# Altium PCB SysUprTestUUUp.PcbDoc (part 3 of 4)
Units mm, origin at the board's own origin, x right, y up, seen from the top; angles counter-clockwise.
Board outline 140.1 x 94.7 mm, 4 copper layers (Top Layer, Mid-Layer 1, Mid-Layer 2, Bottom Layer), stack 1.572 mm thick; 296 components, 295 nets, 1339 pads, 437 vias.
Unrouted connection lines stored in the file: 160.
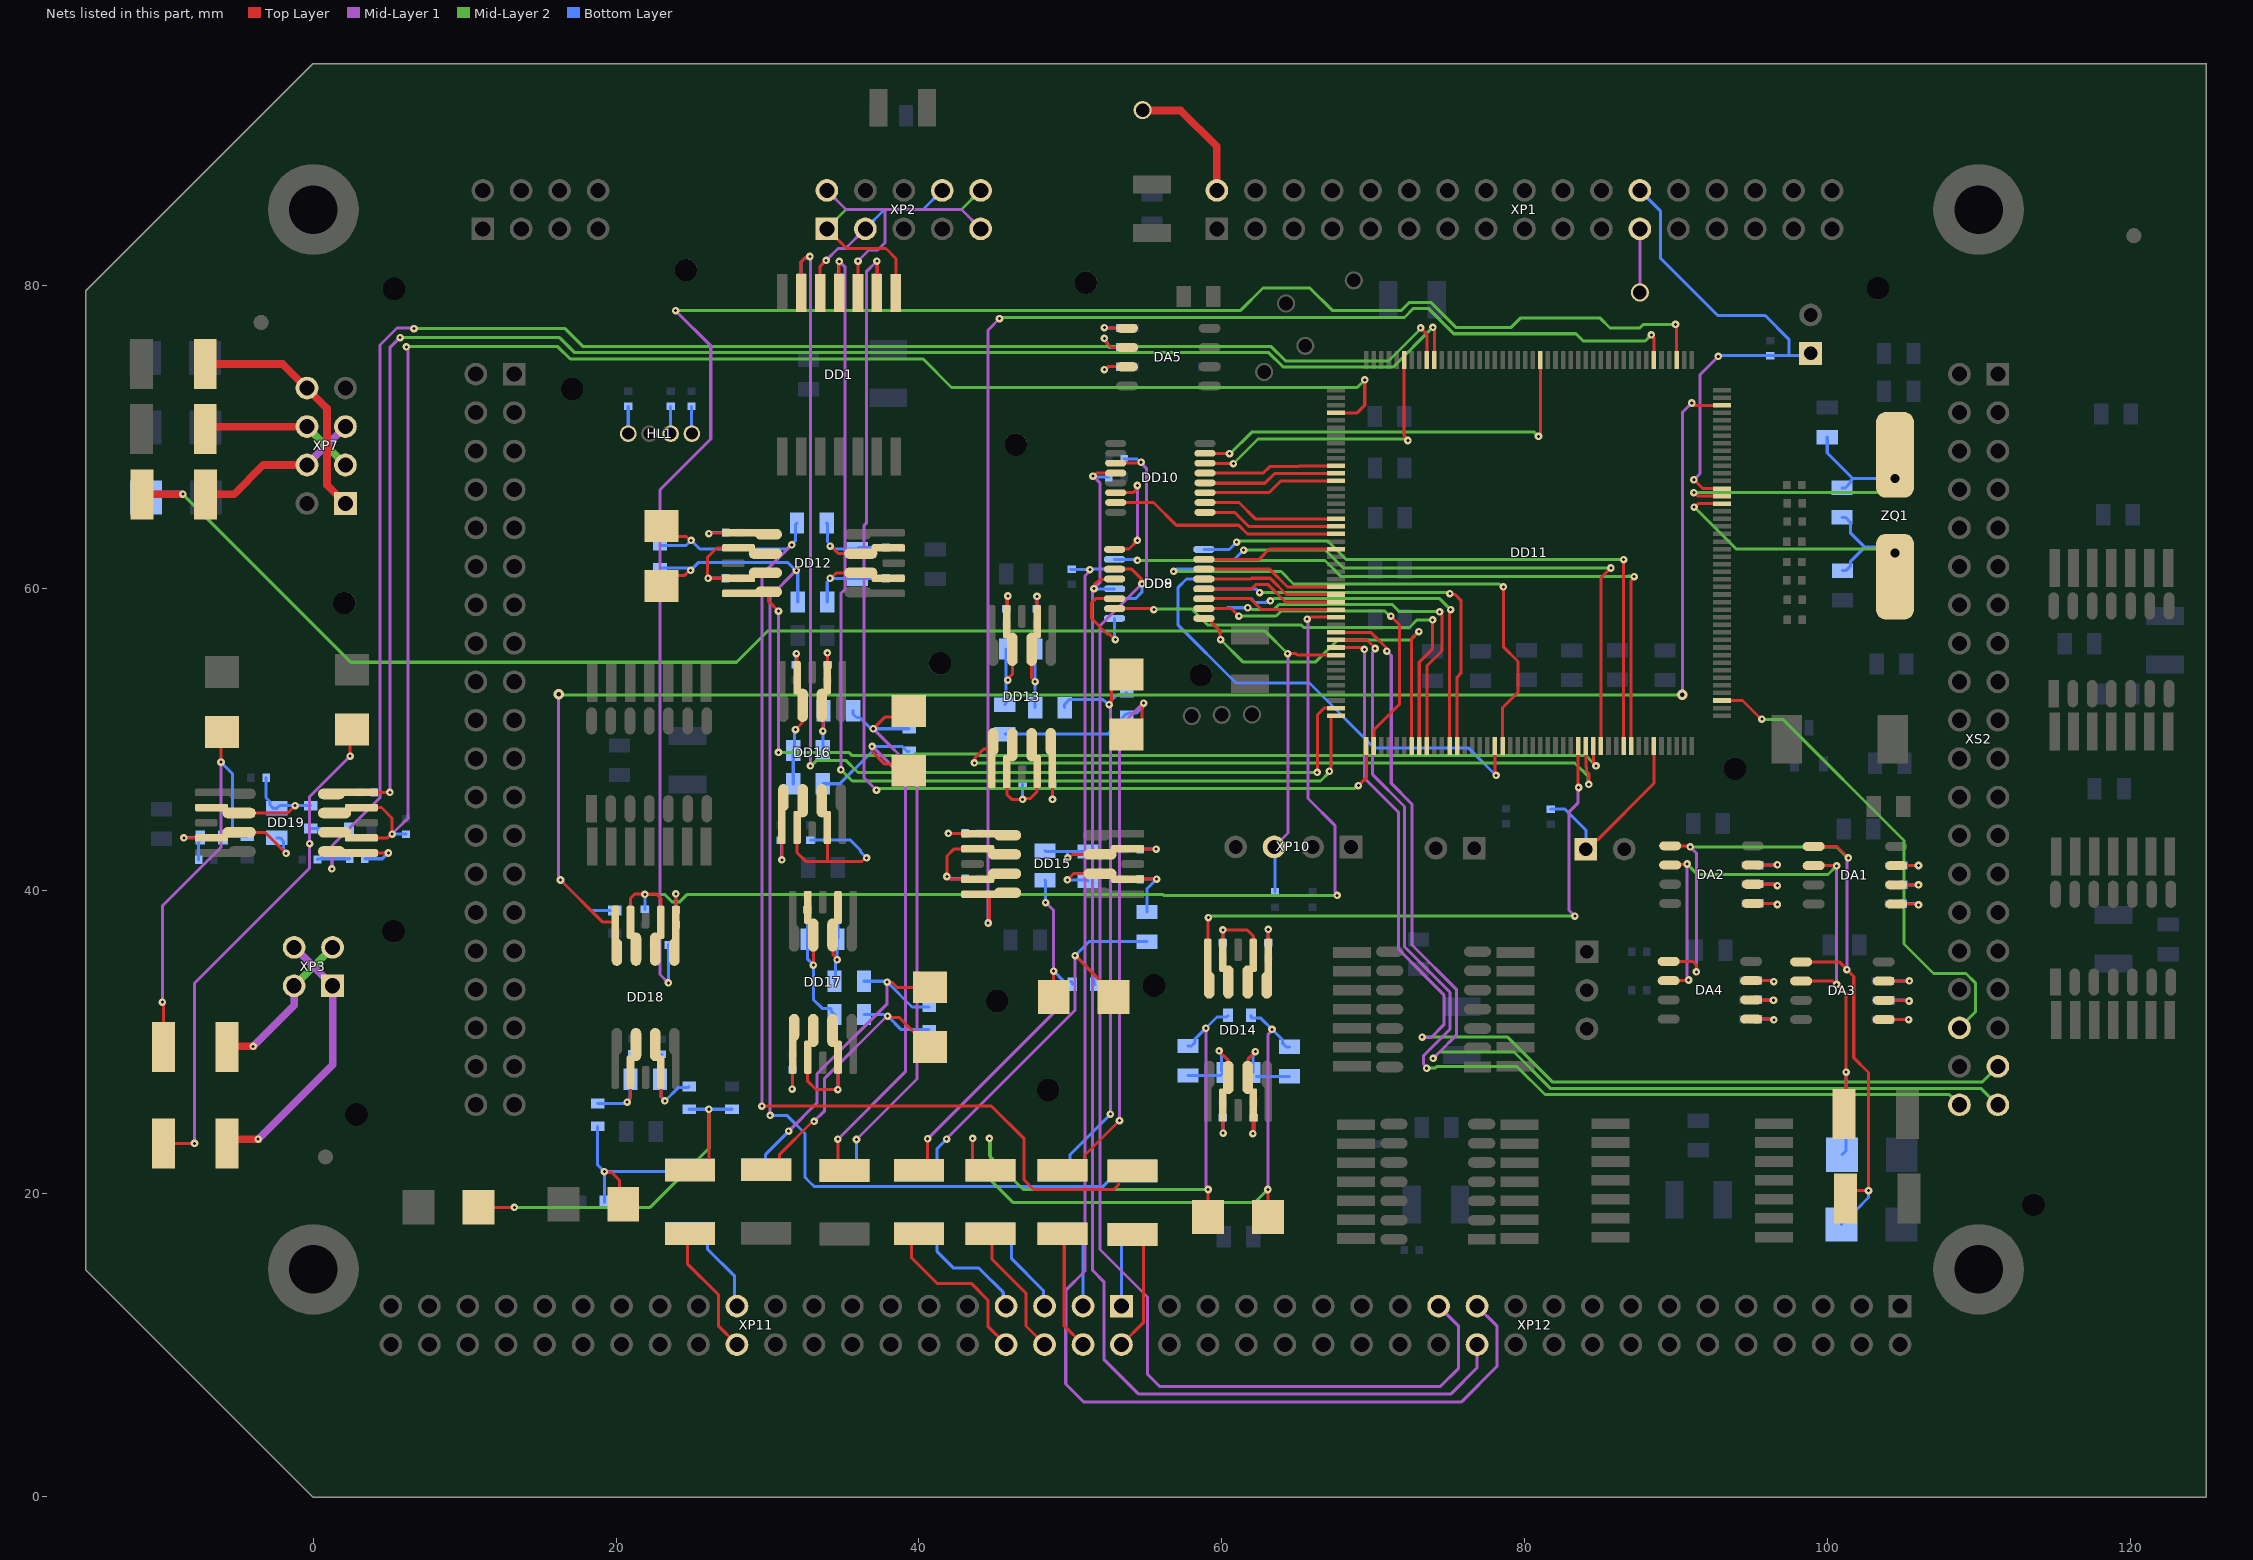
[diagram p5: the nets of this part, all layers, seen from the top]

## Via types
v1: diameter 0.5, hole 0.2, Top Layer to Bottom Layer, tented both sides, 406 vias
v2: diameter 0.7, hole 0.3, Top Layer to Bottom Layer, tented both sides, 27 vias
v3: diameter 1.1, hole 0.5, Top Layer to Bottom Layer, tented both sides, 4 vias

## Nets (pads, with @x,y where several pads share a name; then routed paths per layer and width w, separated by ;. In a path a pad name is that pad's centre, name@x,y a point inside that pad or via, vN(x,y) a via of type N, cw(c..) or ccw(c..) an arc to the next point about the centre after c; other vN are vias at no path point) (continued)
LED_DS_CP: DD1.13 DD11.131 R11.1 | length 77.4
  Top Layer w0.2: DD1.13@32.225,79.5 32.225,81.559 32.478,81.812 32.57,81.812 32.62,81.862 32.762,81.862 v1(32.8,81.9) ; v1(66.3,47.825) 66.325,47.85 66.325,51.625 66.775,52.075 DD11.131@67.55,52.075
  Mid-Layer 1 w0.2: v1(32.8,81.9) 32.825,81.875 v1(32.825,48.25)
  Mid-Layer 2 w0.2: v1(32.825,48.25) 32.879,48.25 33.254,48.625 35.175,48.625 35.975,47.825 v1(66.3,47.825)
  Bottom Layer w0.2: R11.1@32.225,80.525 32.225,81.559 32.478,81.812 32.57,81.812 32.62,81.862 32.762,81.862 v1(32.8,81.9)
LED_DS_O: DD1.12 XP2.3 XP2.8 | length 11.9
  Top Layer w0.2: DD1.12@33.475,79.5 33.475,81.25 v1(33.875,81.65)
  Mid-Layer 1 w0.2: v1(33.875,81.65) 34.65,82.425 35.155,82.425 XP2.3@36.46,83.73
  Bottom Layer w0.2: XP2.3@36.46,83.73 37.73,85 40.27,85 XP2.8@41.54,86.27
LED_SHCP_CP: DD1.11 DD11.132 R10.1 | length 73.9
  Top Layer w0.2: DD1.11@34.725,79.5 34.725,81.575 v1(34.738,81.588) ; v1(67.109,47.9) 67.109,47.981 67.225,48.097 67.225,51.525 67.275,51.575 DD11.132@67.55,51.575
  Mid-Layer 1 w0.2: v1(34.738,81.588) 34.738,81.585 35.125,81.197 35.125,59.942 34.85,59.667 v1(34.85,48)
  Mid-Layer 2 w0.2: v1(34.85,48) 35.6,47.25 66.525,47.25 67.109,47.834 v1(67.109,47.9)
  Bottom Layer w0.2: R10.1@34.7,80.525 34.7,81.55 v1(34.738,81.588)
LED_SHCP_O: DD1.10 XP2.2 XP2.9 | length 17.8
  Top Layer w0.2: DD1.10@35.975,79.5 v1(35.975,81.6)
  Mid-Layer 1 w0.2: XP2.2@33.92,86.27 35.19,85 37.75,85 ; v1(35.975,81.6) 36.7,82.325 37.275,82.325 37.75,82.8 37.75,85 ; XP2.9@44.08,83.73 42.81,85 37.75,85
LED_STCP_CP: DD1.9 DD11.133 R9.1 | length 73.6
  Top Layer w0.2: DD1.9@37.225,79.5 37.25,79.525 v1@37.25,81.575 ; v1(69.025,46.95) 69.55,47.475 DD11.133@69.55,49.575
  Mid-Layer 1 w0.2: v1(37.2,46.65) 36.359,47.491 36.359,64.113 36.525,64.279 36.525,80.9 v1(37.225,81.6)
  Mid-Layer 2 w0.2: v1(37.2,46.65) 37.3,46.75 66.876,46.75 68.758,46.75 68.958,46.95 v1(69.025,46.95)
  Bottom Layer w0.2: R9.1@37.225,80.525 v1(37.225,81.6)
LED_STCP_O: DD1.8 XP2.1 XP2.10 | length 18.9
  Top Layer w0.2: XP2.1@33.92,83.73 35.225,82.425 37.825,82.425 38.475,81.775 DD1.8@38.475,79.5
  Mid-Layer 2 w0.2: XP2.1@33.92,83.73 35.19,85 42.81,85 XP2.10@44.08,86.27
NetC44_2: C44.2 FU6.1 R127.1 VD13.KA2 | length 13.8
  Top Layer w0.2: v1(19.225,21.45) 19.263,21.412 19.688,21.412 20.218,20.882 20.218,19.557 VD13.KA2@20.475,19.3
  Bottom Layer w0.2: R127.1@18.775,24.45 18.775,21.9 v1(19.225,21.45) ; C44.2@19.225,19.425 v1(19.225,21.45) ; FU6.1@24.875,21.579 24.746,21.45 v1(19.225,21.45)
NetC45_2: C45.2 FU7.1 R128.1 VD14.KA2 | length 37.3
  Top Layer w0.2: FU7.1@-9.9,23.323 -7.852,23.323 v1(-7.85,23.325) ; v1(2.425,48.9) 2.425,50.525 VD14.KA2@2.55,50.65
  Mid-Layer 1 w0.2: v1(-7.85,23.325) -7.85,33.9 -0.25,41.5 v1(-0.25,43.125) -0.25,46.225 v1(2.425,48.9)
  Bottom Layer w0.2: v1(-0.25,43.125) -0.25,44.05 R128.1@-0.175,44.125 2.3,44.125 C45.2@2.35,44.075
NetC46_2: C46.2 FU20.1 R124.1 VD15.KA2 | length 27.5
  Top Layer w0.2: VD15.KA2@10.9,19.1 v1(13.275,19.1) ; FU20.1@24.875,21.554 25.737,21.554 26.237,22.054 26.125,22.054 v1(26.125,25.575)
  Mid-Layer 2 w0.2: v1(13.275,19.1) 22.25,19.1 26.125,22.975 v1(26.125,25.575)
  Bottom Layer w0.2: R124.1@24.825,25.575 26.237,25.575 C46.2@27.65,25.575
NetC47_2: C47.2 FU21.1 R126.1 VD16.KA2 | length 29.3
  Top Layer w0.2: v1(-9.975,32.65) -9.975,32.596 -9.9,32.521 FU21.1@-9.9,29.675 ; v1(-6.1,48.5) -6.1,50.425 VD16.KA2@-6.025,50.5
  Mid-Layer 1 w0.2: v1(-9.975,32.65) -9.975,39 -6.1,42.875 v1(-6.1,48.5)
  Bottom Layer w0.2: v1(-6.1,48.5) -5.35,47.75 -5.35,43.625 ; R126.1@-5.975,43.525 -5.975,43.55 -5.9,43.625 -5.35,43.625 ; C47.2@-4.371,43.625 -5.35,43.625
NetC49_1: C49.1 FU9.1 R130.2 VD7.KA1 | length 80
  Top Layer w0.2: VD7.KA1@23,64.091 23.679,63.413 24.633,63.413 24.896,63.15 v1(24.95,63.15) ; v1(29.626,25.777) 29.628,25.775 44.8,25.775 46.95,23.625 46.95,20.9 47.575,20.275 52.875,20.275 53.171,20.571 53.171,20.854 53.821,21.504 FU9.1@54.104,21.504
  Mid-Layer 1 w0.2: v1(29.626,25.777) 29.626,60.876 v1(31.6,62.85)
  Bottom Layer w0.2: C49.1@22.9,62.816 24.616,62.816 v1(24.95,63.15) 25.525,62.575 31.275,62.575 31.857,63.157 31.857,64.207 R130.2@31.95,64.3
NetC49_2: C49.2 FU8.1 R129.2 VD7.KA2 | length 78.5
  Top Layer w0.2: VD7.KA2@23,60.141 23.704,60.845 24.541,60.845 24.871,61.175 v1(24.925,61.175)
  Mid-Layer 1 w0.2: v1(30.176,25.174) 30.176,59.451 v1(31.9,61.175)
  Bottom Layer w0.2: C49.2@22.9,61.316 24.784,61.316 v1(24.925,61.175) 25.45,61.7 31.325,61.7 v1@31.875,61.15 ; v1(30.176,25.174) 31.276,25.174 32.475,23.975 32.475,21.075 32.775,20.775 33.071,20.479 52.184,20.479 53.204,21.5 FU8.1@54.104,21.5 ; R129.2@31.996,59.075 v1@31.996,61.029
NetC50_1: C50.1 FU11.1 R132.2 VD8.KA1 | length 46.4
  Top Layer w0.2: FU11.1@49.475,21.55 50.343,21.55 50.943,22.15 50.943,22.518 v1(53.25,24.825) ; VD8.KA1@53.7,50.333 53.775,50.333 54.725,51.283 54.725,52.194 54.85,52.319 v1(54.85,52.4)
  Mid-Layer 1 w0.2: v1(53.25,24.825) 53.25,50.825 54.825,52.4 v1(54.85,52.4)
  Bottom Layer w0.2: R132.2@45.675,50.35 52.475,50.35 53.375,51.25 53.375,51.375 53.672,51.672 53.797,51.672 53.868,51.743 54.393,51.743 54.812,52.162 54.812,52.362 v1(54.85,52.4)
NetC50_2: C50.2 FU10.1 R131.2 VD8.KA2 | length 39.6
  Top Layer w0.2: v1(52.565,52.297) 52.565,52.351 52.725,52.511 52.725,53.383 53.625,54.283 VD8.KA2@53.7,54.283
  Mid-Layer 1 w0.2: v1(52.565,52.297) 52.565,52.243 52.65,52.158 v1(52.65,25.25)
  Bottom Layer w0.2: FU10.1@49.475,21.55 49.974,22.049 49.974,22.574 v1(52.65,25.25) ; R131.2@49.625,52.1 49.625,52.325 49.95,52.65 52.125,52.65 52.239,52.536 52.272,52.536 52.511,52.297 v1(52.565,52.297) ; v1@52.45,52.325 53.069,52.944 53.569,52.944 C50.2@53.725,53.1
NetC51_1: C51.1 FU13.1 R134.2 VD9.KA1 | length 41.6
  Top Layer w0.2: v1(43.55,23.65) 43.55,22.05 44.05,21.55 FU13.1@44.725,21.55 ; v1(63.05,20.275) 63.054,20.271 VD9.KA1@63.054,18.446
  Mid-Layer 1 w0.2: v1(63.05,20.275) 63.05,30.494 63.325,30.769 v1(63.325,30.85)
  Mid-Layer 2 w0.2: v1(43.55,23.65) 43.55,22.075 46.2,19.425 62.2,19.425 v1(63.05,20.275)
  Bottom Layer w0.2: C51.1@61.925,31.775 61.925,31.67 62,31.595 62.58,31.595 v1(63.325,30.85) 64.025,30.15 64.025,29.925 64.25,29.7 R134.2@64.475,29.7
NetC51_2: C51.2 FU12.1 R133.2 VD9.KA2 | length 34.8
  Top Layer w0.2: v1(59.1,20.275) 59.104,20.271 VD9.KA2@59.104,18.446
  Mid-Layer 1 w0.2: v1(58.95,30.925) 58.95,20.479 59.1,20.329 v1(59.1,20.275)
  Mid-Layer 2 w0.2: v1(44.65,23.65) 44.65,22.525 46.9,20.275 v1(59.1,20.275)
  Bottom Layer w0.2: v1(44.65,23.65) 44.65,23.596 44.725,23.521 FU12.1@44.725,21.55 ; R133.2@57.775,29.75 58,29.75 58.225,29.975 58.225,30.2 59.695,31.67 60.35,31.67 60.425,31.745 C51.2@60.425,31.775
NetC52_1: C52.1 FU15.1 R136.2 VD10.KA1 | length 26.5
  Top Layer w0.2: FU15.1@40,21.55 40.075,21.55 40.575,22.05 v1(40.575,23.625) ; VD10.KA1@48.9,32.975 v1(48.9,34.7)
  Mid-Layer 1 w0.2: v1(40.575,23.625) 48.9,31.95 48.9,38.7 v1(48.375,39.225)
  Bottom Layer w0.2: R136.2@48.325,40.7 48.375,40.65 v1(48.375,39.225) ; v1(48.9,34.7) 49.575,34.025 50.058,34.025 50.133,33.95 C52.1@50.133,33.825
NetC52_2: C52.2 FU14.1 R135.2 VD10.KA2 | length 30.2
  Top Layer w0.2: v1(50.325,35.725) 52.05,34 52.05,33.775 VD10.KA2@52.85,32.975
  Mid-Layer 1 w0.2: v1(41.825,23.6) 41.825,23.625 50.325,32.125 v1(50.325,35.725)
  Bottom Layer w0.2: FU14.1@40,21.55 40.707,21.55 41.207,22.05 41.207,22.982 v1(41.825,23.6) ; C52.2@51.633,33.825 51.558,33.9 51.558,34.492 v1(50.325,35.725) 51.25,36.65 R135.2@55.075,36.65
NetC53_1: C53.1 FU17.1 R138.2 VD11.KA1 | length 41.3
  Top Layer w0.2: v1(34.65,23.6) 34.65,21.954 FU17.1@35.075,21.529 ; v1(36.909,49.55) 36.933,49.526 36.933,49.184 37.747,48.37 38.893,48.37 VD11.KA1@39.329,47.934
  Mid-Layer 1 w0.2: v1(34.65,23.6) 39.125,28.075 39.125,47.334 v1(36.909,49.55)
  Bottom Layer w0.2: R138.2@33.65,47.075 34.775,47.075 36.909,49.209 v1(36.909,49.55) 38.884,49.55 39.225,49.209 C53.1@39.35,49.209
NetC53_2: C53.2 FU16.1 R137.2 VD11.KA2 | length 39.7
  Top Layer w0.2: v1(36.983,50.709) 37.747,51.472 38.918,51.472 VD11.KA2@39.329,51.884
  Mid-Layer 1 w0.2: v1(35.875,23.575) 39.875,27.575 39.875,47.817 v1(36.983,50.709)
  Bottom Layer w0.2: FU16.1@35.075,21.529 35.375,21.529 35.875,22.029 v1(35.875,23.575) ; R137.2@35.65,51.9 35.65,51.675 35.875,51.45 36.1,51.45 36.803,50.747 36.945,50.747 v1(36.983,50.709) C53.2@39.35,50.709
NetC54_1: C54.1 FU19.1 R140.2 VD12.KA1 | length 21.9
  Top Layer w0.2: FU19.1@29.9,21.575 30.199,21.575 30.799,22.175 30.799,22.599 32.937,24.737 33.037,24.737 v1(33.075,24.775) ; v1(37.94,31.731) 37.978,31.693 38.107,31.693 38.153,31.647 38.687,31.647 40.654,29.679 VD12.KA1@40.729,29.679
  Mid-Layer 1 w0.2: v1(33.075,24.775) 33.775,25.475 33.775,27.621 37.886,31.731 v1(37.94,31.731)
  Bottom Layer w0.2: R140.2@36.375,31.825 37.675,31.825 v1@37.733,31.767 ; v1(37.94,31.731) 38.842,30.829 C54.1@40.679,30.829
NetC54_2: C54.2 FU18.1 R139.2 VD12.KA2 | length 23.7
  Top Layer w0.2: v1(37.9,33.973) 37.938,33.935 38.249,33.935 38.554,33.629 VD12.KA2@40.729,33.629
  Mid-Layer 1 w0.2: v1(31.4,24.125) 33.275,26 33.275,27.915 37.9,32.54 v1(37.9,33.973)
  Bottom Layer w0.2: FU18.1@29.925,21.575 29.874,21.626 29.874,22.599 v1(31.4,24.125) ; R139.2@36.375,34.029 37.79,34.029 37.846,33.973 v1(37.9,33.973) 39.544,32.329 C54.2@40.679,32.329
NetDA1_1: DA1.1 DA2.1 DA3.1 DA4.1 FU1.1 VD1.KA2 | length 56.4
  Top Layer w0.2: DA4.1@89.521,35.339 89.531,35.329 91.146,35.329 91.35,35.125 v1(91.35,34.65) ; DA2.1@89.625,42.977 90.819,42.977 90.896,42.9 v1(90.95,42.9) ; DA3.1@98.275,35.309 100.791,35.309 101.75,34.35 101.75,28.975 102.725,28 v1(102.725,20.2) 101.274,20.2 101.2,20.126 FU1.1@101.2,19.675 ; DA1.1@99.1,42.937 100.638,42.937 v1(101.4,42.175)
  Mid-Layer 1 w0.2: v1(90.95,42.9) 91.35,42.5 v1(91.35,34.65) ; v1(101.3,34.8) 101.3,42.021 101.4,42.121 v1(101.4,42.175)
  Mid-Layer 2 w0.2: v1(90.95,42.9) 100.624,42.9 101.349,42.175 v1(101.4,42.175)
  Bottom Layer w0.2: VD1.KA2@100.95,17.966 100.95,18.041 101.85,18.941 101.925,18.941 102.725,19.741 v1(102.725,20.2)
NetDA1_2: DA1.2 DA2.2 DA3.2 DA4.2 FU2.1 VD2.KA2 | length 47
  Top Layer w0.2: DA4.2@89.521,34.069 90.739,34.069 90.784,34.113 v1(90.838,34.113) ; DA2.2@89.625,41.707 89.659,41.741 90.716,41.741 v1(90.75,41.775) ; DA3.2@98.275,34.039 98.282,34.032 100.364,34.032 100.571,33.825 100.65,33.825 101.25,33.225 101.25,25.425 FU2.1@101.1,25.275 ; DA1.2@99.1,41.667 100.608,41.667 v1(100.625,41.65)
  Mid-Layer 1 w0.2: v1(90.75,41.775) 90.75,34.256 90.838,34.167 v1(90.838,34.113) ; v1(100.625,33.825) v1(100.625,41.65)
  Mid-Layer 2 w0.2: v1(90.75,41.775) 91.288,41.237 91.45,41.075 100.05,41.075 v1(100.625,41.65)
  Bottom Layer w0.2: v1(100.625,33.825) 100.679,33.825 v1@100.779,33.725 ; VD2.KA2@100.975,22.571 101.25,22.846 v1(101.25,28.025)
NetDA1_5: DA1.5 R2.1 | length 2.5
  Top Layer w0.2: DA1.5@104.55,39.127 105.919,39.127 105.971,39.075 v1(106.025,39.075)
  Bottom Layer w0.2: R2.1@105.025,39.15 105.125,39.15 105.896,39.15 105.971,39.075 v1(106.025,39.075)
NetDA1_6: DA1.6 R5.1 | length 2.5
  Top Layer w0.2: DA1.6@104.55,40.397 104.552,40.398 106.023,40.398 v1(106.025,40.4)
  Bottom Layer w0.2: R5.1@105.05,40.4 v1(106.025,40.4)
NetDA1_7: DA1.7 R1.1 | length 2.5
  Top Layer w0.2: DA1.7@104.55,41.667 104.554,41.671 106.021,41.671 v1(106.025,41.675)
  Bottom Layer w0.2: R1.1@105.05,41.675 v1(106.025,41.675)
NetDA2_5: DA2.5 R4.1 | length 2.8
  Top Layer w0.2: DA2.5@95.075,39.167 96.552,39.167 96.619,39.1 v1(96.7,39.1)
  Bottom Layer w0.2: R4.1@95.55,39.175 96.544,39.175 96.619,39.1 v1(96.7,39.1)
NetDA2_6: DA2.6 R6.1 | length 2.9
  Top Layer w0.2: DA2.6@95.075,40.437 96.532,40.437 96.619,40.35 v1(96.7,40.35)
  Bottom Layer w0.2: R6.1@95.55,40.45 96.45,40.45 96.493,40.407 96.643,40.407 v1(96.7,40.35)
NetDA2_7: DA2.7 R3.1 | length 2.8
  Top Layer w0.2: DA2.7@95.075,41.707 96.682,41.707 v1(96.7,41.725)
  Bottom Layer w0.2: R3.1@95.55,41.7 96.675,41.7 v1(96.7,41.725)
NetDA3_5: DA3.5 R23.1 | length 2.9
  Top Layer w0.2: DA3.5@103.725,31.499 105.374,31.499 v1(105.375,31.5)
  Bottom Layer w0.2: R23.1@104.175,31.5 v1(105.375,31.5)
NetDA3_6: DA3.6 R26.1 | length 2.9
  Top Layer w0.2: DA3.6@103.725,32.769 105.317,32.769 105.361,32.725 v1(105.415,32.725)
  Bottom Layer w0.2: R26.1@104.2,32.775 105.311,32.775 105.361,32.725 v1(105.415,32.725)
NetDA3_7: DA3.7 R22.1 | length 3
  Top Layer w0.2: DA3.7@103.725,34.039 103.736,34.05 v1(105.425,34.05)
  Bottom Layer w0.2: R22.1@104.175,34.05 v1(105.425,34.05)
NetDA4_5: DA4.5 R25.1 | length 2.6
  Top Layer w0.2: DA4.5@94.971,31.529 94.974,31.525 96.363,31.525 96.413,31.475 v1(96.467,31.475)
  Bottom Layer w0.2: R25.1@95.425,31.525 96.363,31.525 96.413,31.475 v1(96.467,31.475)
NetDA4_6: DA4.6 R27.1 | length 2.5
  Top Layer w0.2: DA4.6@94.971,32.799 94.99,32.779 95.486,32.779 95.49,32.775 v1(96.45,32.775)
  Bottom Layer w0.2: R27.1@95.425,32.8 96.425,32.8 v1(96.45,32.775)
NetDA4_7: DA4.7 R24.1 | length 2.6
  Top Layer w0.2: DA4.7@94.971,34.069 96.344,34.069 96.413,34 v1(96.467,34)
  Bottom Layer w0.2: R24.1@95.425,34.075 96.338,34.075 96.413,34 v1(96.467,34)
NetDA5_5: DA5.5 R39.1 | length 2.6
  Top Layer w0.2: v1(52.25,77.2) 52.27,77.18 53.73,77.18 DA5.5@53.75,77.16
  Bottom Layer w0.2: v1(52.25,77.2) 52.262,77.187 53.263,77.187 R39.1@53.275,77.175
NetDA5_6: DA5.6 R40.1 | length 3.3
  Top Layer w0.2: v1(52.25,76.5) 52.307,76.443 52.307,76.308 52.725,75.89 DA5.6@53.75,75.89
  Bottom Layer w0.2: v1(52.25,76.5) 52.25,76.419 52.449,76.22 52.449,76.02 52.569,75.9 R40.1@53.275,75.9
NetDA5_7: DA5.7 R38.1 | length 2.7
  Top Layer w0.2: v1(52.25,74.425) 52.304,74.425 52.504,74.625 53.745,74.625 DA5.7@53.75,74.62
  Bottom Layer w0.2: v1(52.25,74.425) 52.304,74.425 52.504,74.625 R38.1@53.275,74.625
NetDD8_9: DD8.9 DD9.14 | length 6.2
  Top Layer w0.2: DD9.14@52.925,59.3 51.675,59.3 51.4,59.025 51.4,58 52.428,56.972 52.569,56.972 52.941,56.6 v1(52.975,56.6)
  Bottom Layer w0.2: DD8.9@52.925,58 52.925,56.65 v1(52.975,56.6)
NetDD9_9: DD9.9 DD10.14 | length 7.1
  Top Layer w0.2: DD9.9@52.925,62.55 52.954,62.579 53.879,62.579 54.425,63.125 v1(54.425,63.15) ; DD10.14@53,66.3 54.15,66.3 54.387,66.537 54.387,66.737 v1(54.425,66.775)
  Mid-Layer 1 w0.2: v1(54.425,63.15) v1(54.425,66.775)
NetDD12_1: DD12.1 R80.2 | length 3.5
  Top Layer w0.2: v1(26.131,63.6) 26.185,63.6 26.235,63.65 27.16,63.65 DD12.1@28.484,63.65
  Bottom Layer w0.2: v1(26.131,63.6) 26.185,63.6 26.26,63.675 R80.2@27.25,63.675
NetDD12_2: DD12.2 DD12.3 R81.2 | length 6.9
  Top Layer w0.2: v1@26.025,60.65 DD12.3@28.084,60.65 ; v1(26.075,60.65) 26.025,60.7 26.025,62.025 26.65,62.65 DD12.2@28.084,62.65
  Bottom Layer w0.2: v1(26.075,60.65) R81.2@27.225,60.65
NetDD12_6: DD12.6 R105.2 R111.2 R129.1 | length 7.5
  Top Layer w0.2: v1(34.138,60.65) 34.192,60.65 34.552,61.01 DD12.6@36.159,61.01
  Bottom Layer w0.2: R129.1@33.946,59.075 33.946,60.404 34.138,60.596 v1(34.138,60.65) ; v1@34.175,60.65 34.2,60.625 R111.2@35.925,60.625 35.95,60.65 R105.2@37.825,60.65
NetDD12_7: DD12.7 R111.1 R117.2 R130.1 | length 7.3
  Top Layer w0.2: v1(34.138,62.775) 34.175,62.775 34.67,62.28 DD12.7@36.159,62.28
  Bottom Layer w0.2: R130.1@33.9,64.3 33.949,64.251 33.949,63.056 ; v1(34.138,62.775) 34.192,62.775 34.392,62.575 R111.1@35.925,62.575 36.025,62.675 R117.2@37.825,62.675
NetDD13_2: DD13.2 DD13.3 R83.2 | length 6.2
  Top Layer w0.2: DD13.2@45.805,47.879 45.805,46.37 46.125,46.05 v1(46.85,46.05) 46.888,46.088 47.338,46.088 47.805,46.555 DD13.3@47.805,47.879
  Bottom Layer w0.2: v1(46.85,46.05) R83.2@46.85,47.05
NetDD13_4: DD13.4 R82.2 | length 3.2
  Top Layer w0.2: DD13.4@48.805,48.279 48.805,46.956 48.825,46.936 v1(48.825,46.05)
  Bottom Layer w0.2: v1(48.825,46.05) R82.2@48.825,47.025
NetDD13_6: DD13.6 R106.2 R112.2 R131.1 | length 8.6
  Top Layer w0.2: DD13.6@47.445,55.954 47.445,54.055 v1(47.675,53.825) ; v1(47.8,59.45) 47.805,59.445 DD13.6@47.805,57.779
  Bottom Layer w0.2: R131.1@47.675,52.1 v1(47.675,53.825) 47.675,55.946 R112.2@47.7,55.971 ; R106.2@47.775,58.625 47.8,58.65 v1(47.8,59.45)
NetDD13_7: DD13.7 R112.1 R118.2 R132.1 | length 8.6
  Top Layer w0.2: DD13.7@45.805,57.779 45.84,57.814 45.84,59.44 v1(45.875,59.475) ; v1(45.875,53.925) 45.875,54.006 46.175,54.306 DD13.7@46.175,55.954
  Bottom Layer w0.2: R132.1@45.675,52.3 45.75,52.375 v1@45.75,53.925 ; R112.1@45.75,55.971 v1@45.75,53.925 ; R118.2@45.775,58.625 45.825,58.675 45.825,59.425 v1(45.875,59.475) ; v1(45.875,53.925) v1@45.75,53.925
NetDD14_1: DD14.1 R84.2 | length 3